# KiCad board RS64c.kicad_pcb (continued)
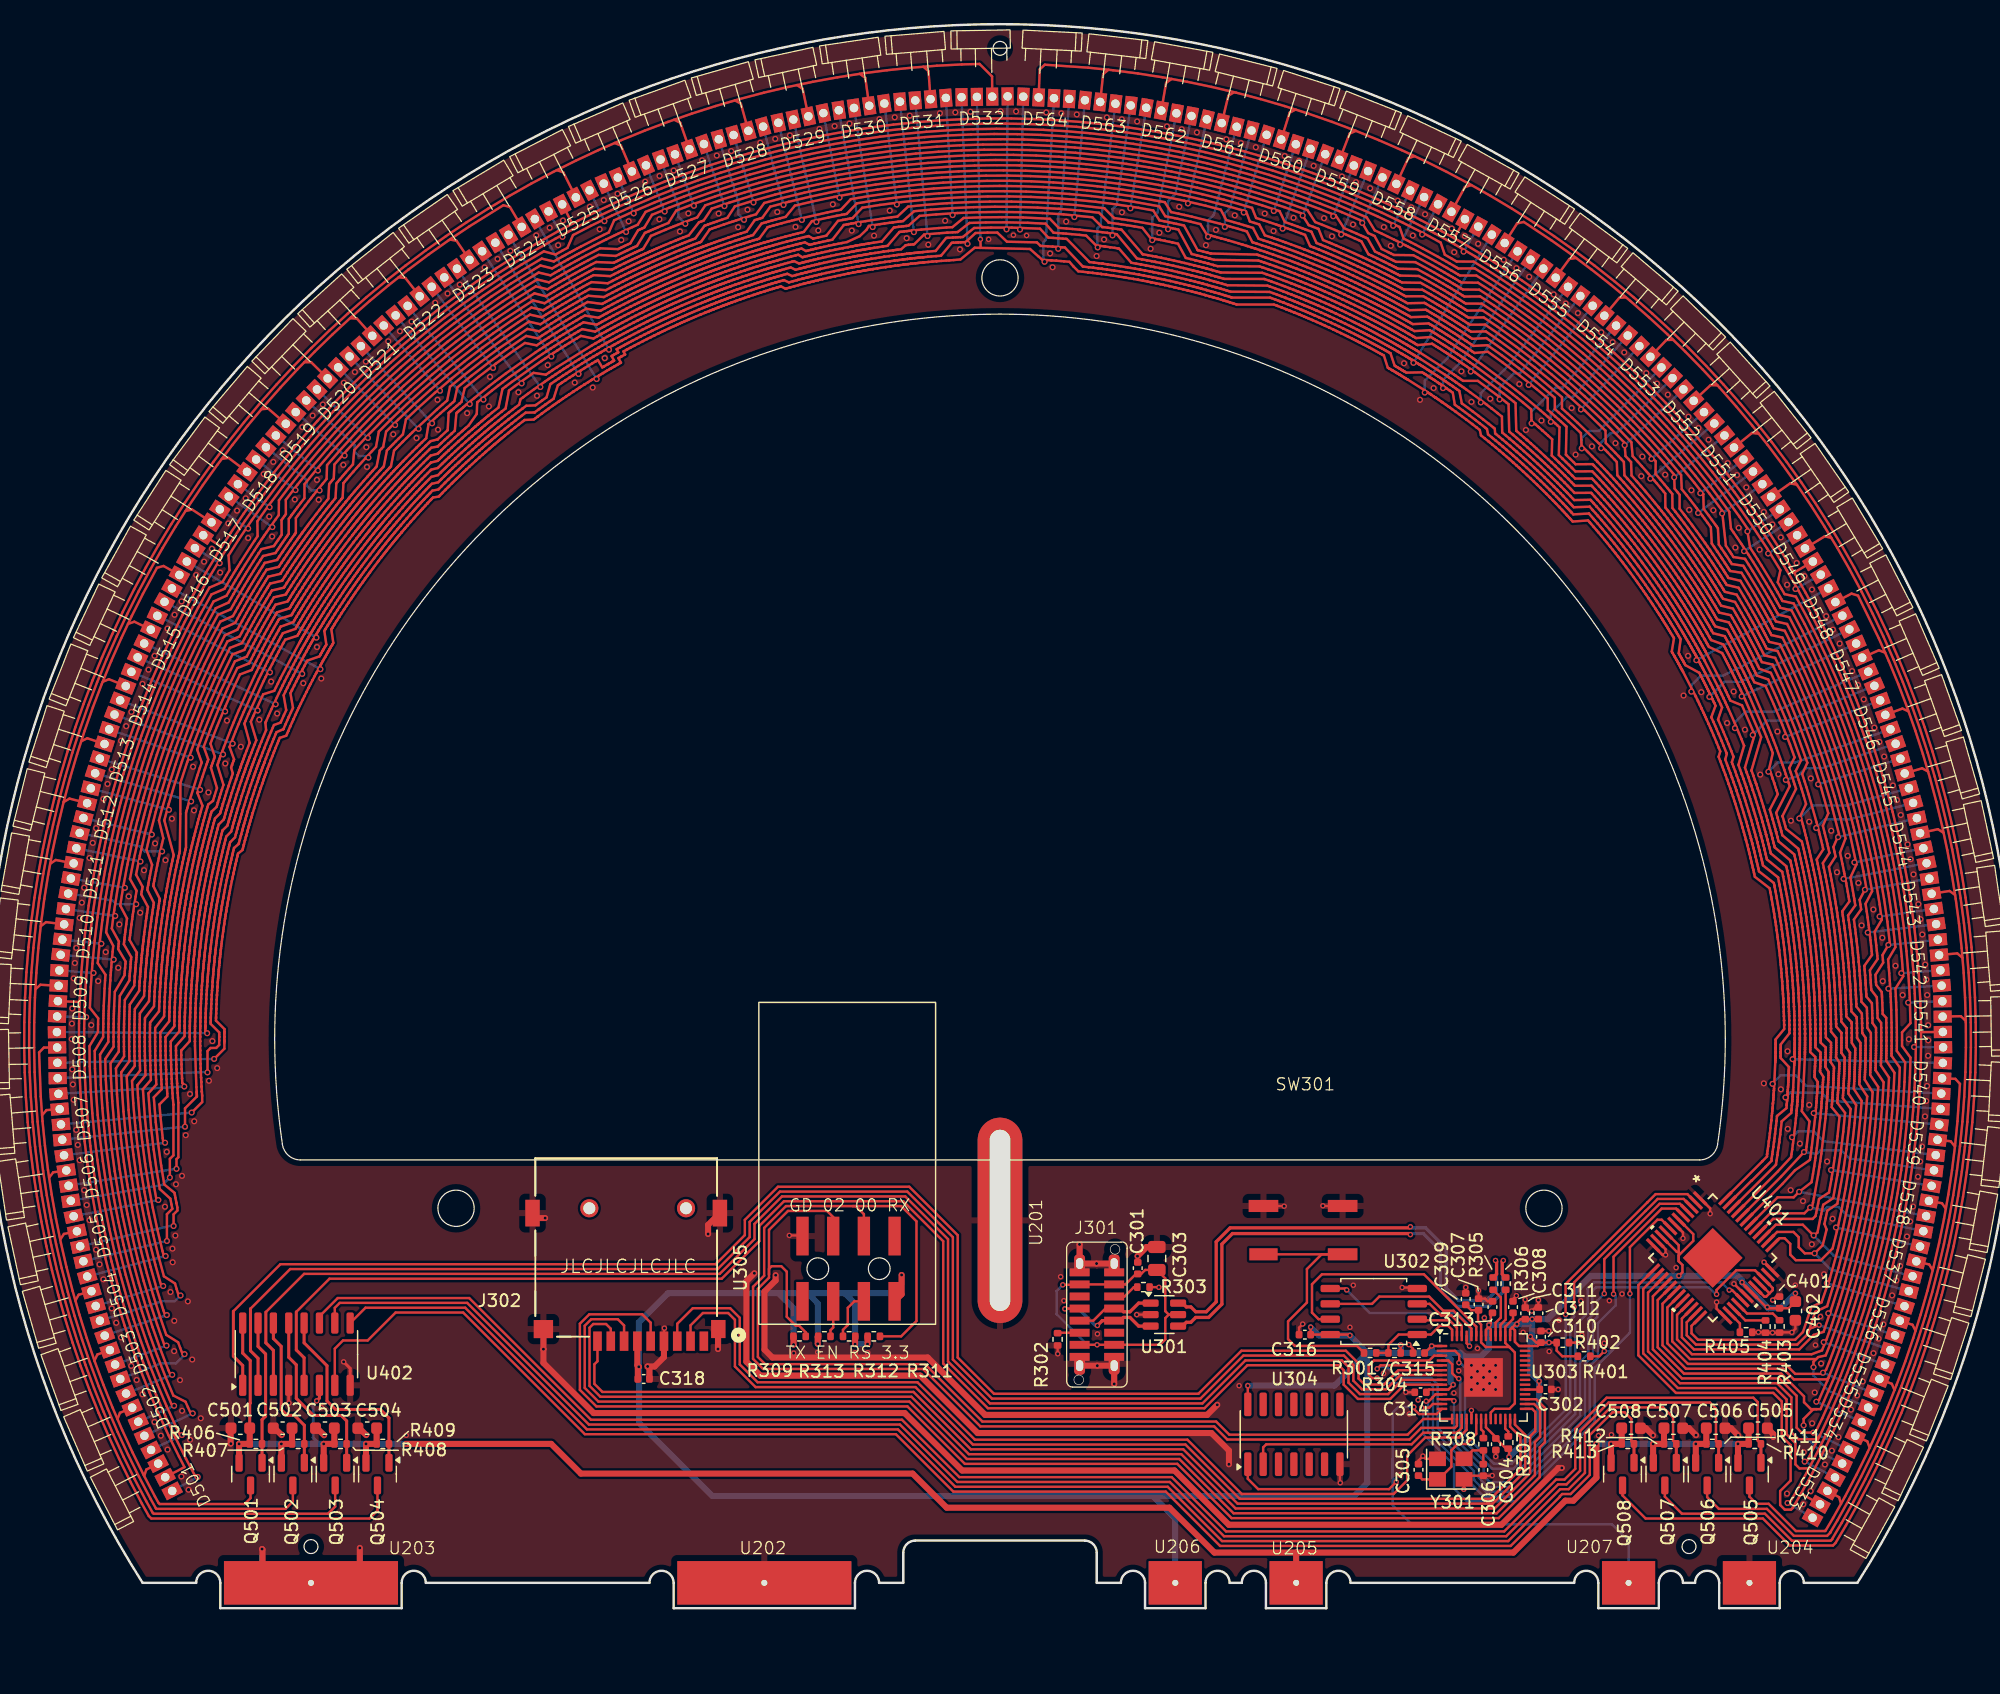
[diagram p0: board, top side]
## Routing (per net, layer and track width the routed paths; a pad name or vN(x,y) marks a point on that pad's centre or on a via; arc(x,y) is an arc through that point) (continued)
  Bottom w0.2: D529.4 v2(67.61,114.89) ; D561.4 103.08,116.04 103.08,115.95 102.6,115.47 v2(102.6,114.32) ; v2(133.73,96) 133.73,96.47 134.51,97.25 134.99,97.25 D553.4 ; D545.4 154.3,65.29 152.24,65.29 151.52,64.57 v2(151.52,64.57) ; D537.4 152.77,28.02 152.74,28.02 v2(151.39,29.37) ; v2(15.08,30.39) 15.08,30.39 15.07,30.39 D505.4 ; D521.4 v2(35.9,97.6) ; D513.4 v2(17.09,66.77)
LED_G05: length 328.2
  Top w0.2: U401.41 147.71,32.68 150.54,32.68 v2(151.02,33.16) ; v2(15.32,35.64) 15.32,37.18 15.62,37.48 15.62,41.67 15.57,42.21 15.54,42.62 15.52,43.02 15.49,43.42 15.47,43.81 15.46,44.2 15.44,44.6 15.43,44.98 15.42,45.37 15.41,45.75 15.4,46.14 15.4,46.52 15.39,46.89 16.11,47.75 16.12,48 16.12,48.15 16.12,48.29 16.13,48.55 16.13,48.66 16.13,48.87 16.14,49.04 16.14,49.24 16.15,49.35 16.16,49.62 16.16,49.74 16.18,50.13 16.2,50.52 16.22,50.91 16.22,50.94 16.24,51.29 16.25,51.53 16.26,51.67 16.28,51.98 16.29,52.05 16.3,52.19 16.31,52.35 16.32,52.42 16.33,52.56 16.34,52.72 16.36,52.93 16.38,53.1 16.38,53.16 16.39,53.31 16.41,53.48 16.43,53.69 16.45,53.87 16.47,54.07 16.49,54.25 16.5,54.41 16.52,54.58 16.55,54.78 16.57,54.95 16.59,55.16 16.61,55.35 16.64,55.53 16.69,55.95 16.7,56.02 16.75,56.39 16.76,56.45 16.78,56.61 16.8,56.77 16.83,56.98 16.85,57.12 16.89,57.36 16.91,57.51 16.92,57.56 16.95,57.73 16.97,57.9 17.01,58.11 17.04,58.28 17.07,58.49 17.09,58.6 17.1,58.67 17.13,58.81 17.16,58.98 17.19,59.19 17.23,59.36 17.26,59.57 17.29,59.72 17.34,59.94 17.41,60.32 17.42,60.39 17.5,60.77 17.55,60.99 17.58,61.15 17.63,61.36 17.66,61.52 17.71,61.74 17.74,61.9 17.79,62.09 17.83,62.28 17.88,62.5 17.92,62.65 17.96,62.86 17.99,62.95 18.01,63.04 18.04,63.17 18.08,63.33 18.13,63.54 18.17,63.72 18.23,63.92 18.26,64.04 18.32,64.3 18.36,64.42 18.41,64.64 18.46,64.81 18.54,65.1 18.6,65.31 18.64,65.48 18.7,65.69 18.73,65.79 18.77,65.94 19.19,66.31 19.24,66.48 19.3,66.7 19.42,67.07 19.51,67.37 19.63,67.76 19.76,68.14 19.25,69.79 19.31,69.95 19.39,70.16 19.45,70.33 19.52,70.54 19.59,70.72 19.66,70.92 19.8,71.3 20.36,72.72 20.6,73.32 20.79,73.76 21.04,74.35 22.3,77.1 22.48,77.46 22.66,77.82 22.84,78.18 23.02,78.53 23.2,78.88 23.38,79.22 23.56,79.57 23.75,79.91 23.93,80.24 23.99,80.35 24.12,80.58 24.19,80.71 24.3,80.91 24.39,81.06 24.49,81.24 25.54,81.62 25.61,81.73 25.67,81.84 25.74,81.96 25.82,82.08 25.95,82.31 26.01,82.4 26.12,82.58 26.21,82.73 26.31,82.9 26.37,82.98 26.41,83.06 26.51,83.21 26.58,83.32 26.62,83.38 26.79,83.65 26.82,83.7 27,83.98 27.02,84.02 27.21,84.3 27.23,84.33 27.42,84.62 27.43,84.64 27.55,84.82 27.63,84.94 27.8,85.19 27.84,85.25 27.92,85.37 28.01,85.5 28.06,85.56 28.13,85.67 28.22,85.81 28.34,85.98 28.44,86.12 28.48,86.17 28.57,86.3 28.66,86.43 28.79,86.61 28.89,86.75 29.01,86.92 29.12,87.06 29.21,87.19 29.31,87.32 29.43,87.49 29.53,87.63 29.66,87.79 29.77,87.95 29.88,88.1 30.14,88.43 30.21,88.52 30.41,88.79 30.45,88.83 30.55,88.95 30.65,89.09 30.69,89.13 30.78,89.25 30.87,89.37 30.93,89.44 31.02,89.55 31.11,89.67 31.18,89.75 31.25,89.84 31.36,89.97 31.43,90.06 31.52,90.17 31.61,90.28 31.68,90.37 31.74,90.44 31.82,90.53 31.86,90.58 31.95,90.69 32.06,90.82 32.2,90.99 32.31,91.12 32.45,91.27 32.55,91.39 32.7,91.57 32.95,91.86 33,91.91 33.26,92.2 33.4,92.36 33.52,92.49 33.66,92.65 33.74,92.75 33.92,92.94 34.03,93.06 34.16,93.2 34.28,93.33 34.45,93.51 34.56,93.62 34.7,93.78 34.77,93.85 34.83,93.91 34.92,94.01 35.04,94.13 35.19,94.29 35.25,94.35 35.31,94.41 35.46,94.56 35.54,94.65 35.73,94.84 35.98,95.09 36.03,95.15 36.31,95.42 36.47,95.58 36.6,95.7 36.75,95.85 36.83,95.93 36.95,96.05 37.47,96.14 37.62,96.28 37.78,96.43 38.07,96.7 38.29,96.91 38.6,97.18 38.65,97.23 38.9,97.46 39.03,98.91 39.11,98.98 39.19,99.05 39.28,99.13 39.42,99.24 39.59,99.39 39.72,99.51 39.89,99.65 40.04,99.77 40.2,99.9 40.51,100.16 41.7,101.12 42.21,101.51 42.6,101.81 43.11,102.19 45.58,103.94 45.91,104.16 46.25,104.38 46.58,104.6 46.91,104.82 47.24,105.03 47.58,105.24 47.91,105.44 48.23,105.65 48.56,105.84 48.89,106.04 49.22,106.23 49.54,106.42 50.64,106.23 50.87,106.36 50.99,106.43 51.12,106.49 51.35,106.62 51.44,106.67 51.63,106.77 51.77,106.85 51.95,106.95 52.04,107 52.28,107.13 52.39,107.18 52.74,107.36 53.08,107.54 53.13,107.56 53.43,107.72 53.46,107.73 53.77,107.89 53.8,107.9 53.99,108 54.11,108.06 54.39,108.19 54.46,108.22 54.58,108.28 54.73,108.36 54.8,108.39 54.92,108.45 55.06,108.51 55.25,108.6 55.41,108.68 55.47,108.7 55.6,108.77 55.76,108.84 55.95,108.93 56.11,109 56.3,109.08 56.46,109.15 56.61,109.22 56.76,109.29 56.95,109.37 57.11,109.44 57.3,109.52 57.48,109.59 57.65,109.67 58.03,109.83 58.14,109.87 58.45,110 58.5,110.02 58.65,110.08 58.8,110.14 58.86,110.16 59,110.22 59.13,110.27 59.22,110.31 59.35,110.36 59.5,110.41 59.59,110.45 59.7,110.49 59.86,110.55 59.96,110.59 60.11,110.65 60.23,110.69 60.34,110.73 60.43,110.77 60.53,110.81 60.6,110.83 60.75,110.88 60.89,110.94 61.09,111.01 61.26,111.07 61.45,111.14 61.6,111.19 61.82,111.26 61.9,111.29 62.18,111.39 62.27,111.42 62.62,111.54 62.65,111.55 62.83,111.6 62.99,111.66 63.03,111.67 63.19,111.72 63.31,111.76 63.56,111.84 63.72,111.89 63.91,111.95 64.07,112 64.31,112.07 64.45,112.12 64.66,112.18 64.75,112.2 64.84,112.23 64.96,112.27 65.13,112.31 65.33,112.37 65.5,112.42 65.71,112.48 65.83,112.51 66.09,112.58 66.43,112.68 66.5,112.7 66.88,112.8 67.09,112.85 67.28,112.9 67.48,112.95 67.58,112.97 67.86,113.04 68.24,112.84 68.43,112.88 68.65,112.93 69.04,113.02 69.34,113.09 69.73,113.18 70.13,113.26 71.08,114.48 71.3,114.52 71.47,114.55 71.69,114.59 71.87,114.62 72.09,114.66 72.27,114.7 72.48,114.73 72.88,114.8 74.39,115.03 75.03,115.12 75.51,115.18 76.39,116 77.84,116.15 79.61,116.28 81.39,116.37 83.17,116.41 84.94,116.41 86.72,116.37 88.5,116.27 90.27,116.14 92.63,115.86 93.44,115.05 93.44,115.05 94.08,114.96 94.56,114.89 95.19,114.79 96.71,114.52 97.11,114.44 97.5,114.36 97.89,114.28 98.28,114.2 98.51,114.15 98.76,114.1 99.86,112.08 100.25,111.98 100.32,111.96 100.63,111.89 100.7,111.87 100.93,111.81 101.09,111.77 101.33,111.7 101.43,111.67 101.72,111.59 105.37,111.54 105.61,111.46 105.83,111.38 105.97,111.34 106.28,111.23 106.33,111.21 106.7,111.08 106.86,111.03 106.91,111.01 107.34,110.85 107.71,110.72 107.91,110.64 108.07,110.58 108.35,110.47 108.42,110.44 108.71,110.33 108.78,110.31 108.98,110.23 109.08,110.19 109.41,110.06 109.55,110 109.79,109.9 109.96,109.83 110,109.81 110.15,109.75 110.31,109.69 110.43,109.63 110.5,109.6 110.68,109.53 110.85,109.46 110.99,109.4 111.05,109.37 111.41,109.21 111.47,109.19 111.77,109.05 111.85,109.01 112.01,108.94 112.13,108.89 112.19,108.86 112.48,108.73 112.53,108.7 112.83,108.56 112.87,108.55 113.07,108.45 113.17,108.4 113.47,108.26 113.52,108.24 113.86,108.07 114,108 114.12,107.94 114.22,107.89 114.46,107.77 114.55,107.73 114.66,107.67 114.81,107.6 114.88,107.56 115,107.5 115.15,107.42 115.33,107.33 115.49,107.24 115.67,107.15 115.84,107.06 116.01,106.97 116.18,106.88 116.36,106.78 116.53,106.69 116.7,106.6 116.88,106.5 117.04,106.41 117.16,106.34 117.23,106.3 117.39,106.21 117.48,106.16 117.58,106.1 117.73,106.02 117.8,105.98 117.93,105.9 118.08,105.82 118.28,105.7 119.56,105.77 119.71,105.68 119.88,105.57 120.03,105.48 120.2,105.38 120.36,105.28 120.53,105.17 120.69,105.07 120.85,104.97 121.02,104.86 121.17,104.76 121.35,104.65 121.5,104.55 121.68,104.43 121.83,104.33 122.01,104.21 122.15,104.12 122.34,103.99 122.48,103.9 122.68,103.76 122.81,103.67 123.01,103.53 123.14,103.45 123.35,103.3 123.47,103.21 123.8,102.98 126.16,101.22 126.67,100.82 127.05,100.52 127.54,100.11 128.73,99.12 129.03,98.86 129.33,98.59 129.63,98.33 129.93,98.06 130.1,97.91 130.28,97.74 130.23,95.44 130.52,95.16 130.58,95.1 130.8,94.88 130.86,94.83 131.03,94.66 131.14,94.55 131.32,94.37 131.39,94.3 131.6,94.08 133,94.09 133.14,93.94 133.38,93.68 133.56,93.5 133.65,93.4 133.85,93.19 133.92,93.11 134.12,92.9 134.18,92.83 134.33,92.66 134.38,92.6 134.65,92.31 134.91,92.02 135.06,91.84 135.15,91.73 135.37,91.49 135.41,91.44 135.66,91.15 135.77,91.02 135.8,90.98 136.1,90.63 136.35,90.33 136.49,90.16 136.59,90.03 136.78,89.8 136.83,89.73 137.03,89.49 137.07,89.44 137.21,89.26 137.27,89.19 137.49,88.91 137.51,88.88 137.74,88.58 137.86,88.43 137.88,88.4 137.98,88.27 138.16,88.03 138.21,87.97 138.44,87.67 138.53,87.55 138.57,87.49 138.84,87.12 139.08,86.78 139.19,86.64 139.3,86.48 139.49,86.22 139.52,86.17 139.71,85.9 139.73,85.87 139.86,85.69 139.92,85.59 140.11,85.32 140.14,85.28 140.35,84.96 140.44,84.83 140.51,84.72 140.57,84.63 140.73,84.4 140.78,84.32 140.84,84.22 140.94,84.08 140.98,84.01 141.05,83.9 141.14,83.75 141.26,83.58 141.35,83.43 141.46,83.25 141.56,83.1 141.67,82.93 141.77,82.76 141.87,82.6 141.97,82.43 142.07,82.26 142.18,82.09 142.28,81.93 142.34,81.82 142.39,81.74 142.48,81.59 142.53,81.5 142.59,81.4 142.68,81.25 142.72,81.18 142.79,81.05 142.88,80.9 143,80.69 143.95,80.45 144.04,80.3 144.13,80.12 144.22,79.96 144.32,79.79 144.4,79.63 144.5,79.45 144.59,79.29 144.68,79.12 144.77,78.94 144.85,78.78 144.95,78.6 145.03,78.44 145.13,78.25 145.21,78.09 145.3,77.9 145.38,77.74 145.48,77.54 145.56,77.39 145.66,77.18 145.73,77.03 145.83,76.82 145.9,76.68 146.01,76.45 146.07,76.31 146.18,76.08 146.24,75.95 146.41,75.58 147.58,72.87 147.82,72.27 148,71.82 148.22,71.23 148.75,69.77 148.88,69.39 149.01,69.01 149.14,68.63 149.26,68.26 149.33,68.04 148.21,65.83 148.32,65.44 148.34,65.37 148.43,65.07 148.45,64.99 148.51,64.76 148.55,64.61 148.62,64.37 148.64,64.26 148.72,63.97 150.03,62.86 150.06,62.74 150.12,62.48 150.15,62.36 150.22,62.08 150.24,61.98 150.3,61.69 150.32,61.6 150.37,61.38 150.39,61.3 150.47,60.92 150.55,60.53 150.59,60.31 150.62,60.16 150.68,59.84 150.69,59.79 150.76,59.41 150.8,59.24 150.81,59.18 150.89,58.73 150.95,58.35 150.99,58.13 151.01,57.97 151.06,57.67 151.07,57.59 151.12,57.29 151.13,57.22 151.16,57 151.18,56.9 151.23,56.55 151.23,56.52 151.29,56.14 151.31,55.95 151.32,55.91 151.34,55.75 151.37,55.45 151.38,55.37 151.43,55 151.45,54.85 151.45,54.78 151.5,54.33 151.55,53.91 151.56,53.74 151.58,53.54 151.61,53.22 151.62,53.16 151.65,52.84 151.65,52.79 151.67,52.57 151.68,52.46 151.7,52.13 151.71,52.08 151.73,51.7 151.74,51.54 151.75,51.41 151.76,51.3 151.78,51.02 151.78,50.93 151.8,50.64 151.8,50.56 151.81,50.43 151.82,50.26 151.83,49.89 151.83,49.87 151.85,49.48 151.85,49.31 151.86,49.09 151.87,48.73 151.87,48.69 151.88,48.35 151.88,48.29 151.88,47.97 151.88,47.89 151.89,47.6 151.89,47.49 151.89,47.24 151.89,47.09 151.89,46.95 151.89,46.81 152.32,46.41 152.31,46.2 152.31,45.99 152.31,45.82 152.3,45.61 152.3,45.44 152.29,45.24 152.29,45.06 152.28,44.87 152.28,44.8 152.55,44.38 152.55,44.28 152.54,44.09 152.53,43.89 152.52,43.71 152.51,43.5 152.5,43.32 152.49,43.1 152.48,42.93 152.46,42.71 152.45,42.54 152.44,42.31 152.43,42.14 152.41,41.91 152.4,41.75 152.38,41.5 152.36,41.35 152.34,41.1 152.33,40.95 152.29,40.54 151.95,37.62 151.85,36.98 151.78,36.5 151.68,35.87 151.41,34.35 151.33,33.95 151.25,33.56 151.17,33.17
  Bottom w0.2: v2(151.02,33.16) 152.12,32.93 152.17,32.93 152.45,33.21 153.37,33.21 154.05,32.53 D538.4 ; v2(97.9,114.13) 97.9,116.44 98.5,117.04 D562.4 ; D514.4 v2(19.73,70.67) ; D522.4 v2(40.13,99.65) ; v2(149.01,68.55) 149.97,68.87 149.99,68.87 150.64,69.52 151.87,69.52 151.89,69.5 D546.4 ; D506.4 14.65,35.03 14.71,35.03 v2(15.32,35.64) ; v2(129.56,98.19) 129.56,98.91 130.9,100.25 131.4,100.25 D554.4 ; D530.4 v2(72.3,114.55)
LED_G06: length 327.9
  Top w0.2: 17.55,42.67 17.57,42.36 ; 17.55,42.67 17.55,42.34 16.58,41.37 v2(16.58,39.85) ; 17.55,42.67 17.54,42.75 17.52,43.14 17.4,46.53 17.4,46.9 17.4,46.94 17.4,47.26 17.4,47.34 17.4,47.63 17.4,47.74 17.41,47.99 17.41,48.13 17.41,48.27 17.41,48.53 17.42,48.63 17.42,48.84 17.43,49 17.43,49.2 17.44,49.3 17.45,49.57 17.45,49.69 17.47,50.07 17.48,50.45 17.5,50.83 17.51,50.87 17.53,51.21 17.54,51.45 17.55,51.58 17.57,51.88 17.58,51.95 17.59,52.09 17.6,52.25 17.6,52.32 17.62,52.45 17.63,52.61 17.65,52.82 17.66,52.99 17.67,53.05 17.68,53.2 17.69,53.36 17.71,53.57 17.73,53.74 17.75,53.94 17.77,54.12 17.79,54.27 17.8,54.43 17.83,54.64 17.85,54.8 17.87,55 17.89,55.19 17.92,55.37 17.97,55.78 17.98,55.85 18.03,56.22 18.03,56.27 18.06,56.43 18.08,56.59 18.11,56.79 18.13,56.93 18.16,57.16 18.19,57.31 18.19,57.36 18.22,57.52 18.25,57.69 18.28,57.9 18.31,58.07 18.34,58.28 18.36,58.38 18.37,58.45 18.4,58.59 18.43,58.75 18.46,58.96 18.49,59.13 18.53,59.33 18.56,59.48 18.6,59.7 18.67,60.07 18.69,60.14 18.76,60.51 18.81,60.72 18.84,60.89 18.89,61.09 18.92,61.25 18.97,61.46 19,61.62 19.04,61.81 19.09,62 19.14,62.21 19.17,62.36 19.22,62.56 19.24,62.65 19.26,62.74 19.29,62.86 19.33,63.03 19.38,63.23 19.43,63.4 19.48,63.6 19.51,63.72 19.57,63.97 19.6,64.09 19.66,64.31 19.68,64.38 20.09,64.77 20.12,64.88 20.16,65.05 20.2,65.16 20.23,65.28 20.25,65.36 20.31,65.55 20.33,65.62 20.36,65.73 20.42,65.95 20.47,66.11 20.54,66.32 20.65,66.7 20.74,66.98 20.86,67.36 20.98,67.74 21,67.8 21.11,68.13 21.2,68.38 21.22,68.45 21.35,68.82 21.42,69.03 21.48,69.19 21.55,69.41 21.61,69.56 21.68,69.75 21.72,69.86 21.74,69.93 21.79,70.07 21.86,70.24 21.93,70.44 21.95,70.49 22.07,70.79 22.08,70.82 22.18,71.08 22.33,71.46 22.48,71.84 22.02,73.37 22.22,73.84 23.04,75.64 23.96,75.93 24.1,76.22 24.24,76.51 24.28,76.57 24.45,76.92 24.46,76.94 26.05,79.92 26.13,80.07 26.23,80.24 26.33,80.41 26.41,80.55 26.45,80.62 26.52,80.74 26.59,80.87 26.65,80.96 26.72,81.07 26.78,81.18 26.85,81.3 26.92,81.42 27.06,81.64 27.11,81.73 27.22,81.91 27.31,82.05 27.41,82.22 27.46,82.3 27.51,82.37 27.6,82.53 27.67,82.63 27.71,82.69 27.87,82.95 27.91,83 28.08,83.27 28.11,83.32 28.29,83.59 28.31,83.62 28.49,83.91 28.51,83.93 28.63,84.11 28.7,84.22 28.87,84.47 28.91,84.53 28.99,84.64 29.08,84.77 29.12,84.83 29.19,84.94 29.28,85.07 29.4,85.24 29.5,85.38 29.54,85.43 29.62,85.55 29.72,85.69 29.84,85.86 29.94,85.99 30.06,86.16 30.16,86.3 30.28,86.46 30.35,86.56 30.47,86.73 30.57,86.86 30.69,87.02 30.8,87.17 30.91,87.32 31.16,87.64 31.23,87.73 31.43,87.99 31.46,88.03 31.56,88.16 31.66,88.29 31.7,88.33 31.79,88.45 31.88,88.56 31.94,88.64 32.02,88.74 32.12,88.86 32.18,88.94 32.25,89.03 32.36,89.16 32.43,89.24 32.52,89.36 32.6,89.46 32.68,89.54 32.74,89.62 32.81,89.7 32.85,89.76 32.94,89.86 33.05,89.99 33.19,90.15 33.29,90.28 33.44,90.46 33.53,90.55 33.67,90.72 33.71,90.76 33.92,91.01 33.97,91.07 34.22,91.34 34.24,91.37 34.36,91.5 34.47,91.63 34.62,91.79 34.7,91.88 34.87,92.07 34.98,92.19 35.11,92.33 35.23,92.45 35.39,92.63 35.49,92.74 35.64,92.89 35.7,92.96 35.77,93.03 35.85,93.11 35.97,93.24 36.12,93.39 36.24,93.51 36.38,93.66 36.46,93.75 36.65,93.94 36.89,94.18 36.95,94.23 37.49,94.37 37.58,94.45 37.7,94.57 37.78,94.65 37.88,94.74 37.93,94.79 38.07,94.93 38.13,94.99 38.22,95.07 38.38,95.22 38.5,95.34 38.66,95.49 38.95,95.76 39.17,95.96 39.46,96.23 39.52,96.28 39.76,96.49 39.81,96.54 40.06,96.76 40.1,96.8 40.26,96.94 40.39,97.05 40.61,97.25 40.69,97.31 40.78,97.39 40.91,97.5 41.09,97.65 41.21,97.75 41.37,97.89 41.45,97.96 41.51,98.01 41.62,98.1 41.76,98.22 41.93,98.36 41.97,98.39 42.22,98.59 42.24,98.61 42.46,98.79 42.78,99.04 43.1,99.29 43.38,100.78 43.88,101.15 45.41,102.24 46.43,102.09 46.7,102.27 46.96,102.45 47.02,102.49 47.35,102.71 47.37,102.72 50.23,104.51 50.55,104.69 50.58,104.71 50.87,104.87 50.93,104.91 51.18,105.05 51.28,105.11 51.5,105.23 51.62,105.3 51.74,105.37 51.97,105.49 52.06,105.54 52.24,105.64 52.38,105.72 52.56,105.81 52.65,105.86 52.88,105.98 52.99,106.04 53.33,106.22 53.67,106.39 53.71,106.42 54.01,106.57 54.04,106.58 54.35,106.73 54.37,106.75 54.56,106.84 54.68,106.9 54.95,107.03 55.02,107.06 55.14,107.12 55.28,107.19 55.35,107.22 55.47,107.28 55.61,107.35 55.8,107.44 55.95,107.51 56.01,107.53 56.14,107.6 56.29,107.66 56.48,107.75 56.64,107.82 56.83,107.9 56.99,107.98 57.13,108.04 57.28,108.1 57.47,108.19 57.62,108.25 57.81,108.33 57.98,108.41 58.15,108.48 58.52,108.63 58.63,108.68 58.94,108.8 58.98,108.82 59.13,108.88 59.28,108.94 59.34,108.97 59.48,109.02 59.61,109.07 59.7,109.11 59.82,109.16 59.96,109.21 60.06,109.25 60.16,109.29 60.32,109.35 60.43,109.39 60.56,109.44 60.68,109.48 60.82,109.53 60.98,109.59 61.05,109.62 61.19,109.67 61.33,109.72 61.53,109.8 61.69,109.85 61.88,109.92 62.03,109.97 62.24,110.04 62.32,110.07 62.6,110.17 62.69,110.2 63.02,110.31 63.23,110.38 63.39,110.43 63.43,110.44 63.59,110.5 63.71,110.53 63.95,110.61 64.1,110.66 64.29,110.72 64.45,110.77 64.68,110.84 64.83,110.88 65.03,110.94 65.12,110.97 65.2,110.99 65.32,111.03 65.48,111.07 65.69,111.13 65.86,111.18 66.06,111.24 66.17,111.27 66.43,111.34 66.76,111.43 66.83,111.45 66.97,111.49 67.37,111.29 67.49,111.32 67.67,111.37 67.76,111.39 67.89,111.42 67.96,111.44 68.16,111.49 68.23,111.51 68.35,111.54 68.56,111.59 68.73,111.63 68.94,111.68 69.33,111.77 69.62,111.83 70.01,111.92 70.4,112 70.46,112.01 70.79,112.08 71.06,112.13 71.13,112.15 71.51,112.22 71.73,112.26 71.9,112.3 72.12,112.34 72.28,112.37 72.49,112.4 72.59,112.42 72.67,112.43 72.82,112.46 72.99,112.49 73.21,112.53 73.26,112.53 73.58,112.59 73.61,112.59 73.88,112.63 74.29,112.69 74.32,112.7 74.69,112.75 75.67,113.9 75.78,113.91 75.9,113.93 76.07,113.95 76.29,113.97 76.48,113.99 76.69,114.02 76.88,114.04 77.09,114.06 77.49,114.1 78.93,114.22 79.58,114.27 80.06,114.3 80.98,115.06 82.41,115.11 84.15,115.13 85.9,115.1 88.13,114.99 88.86,114.24 89.5,114.19 89.99,114.15 90.62,114.09 92.07,113.93 92.47,113.88 92.87,113.83 93.27,113.77 93.66,113.72 95.33,111.71 95.73,111.64 95.78,111.63 96.11,111.57 96.17,111.56 96.53,111.49 96.56,111.48 96.78,111.44 96.91,111.41 97.25,111.34 97.28,111.34 97.65,111.26 97.87,111.21 98.32,111.11 98.38,111.1 98.78,111.01 98.9,110.98 99.18,110.91 99.56,110.82 99.93,110.73 100.01,110.71 100.31,110.64 100.38,110.62 100.61,110.56 100.76,110.52 100.99,110.46 101.1,110.43 101.38,110.35 101.47,110.33 101.77,110.24 101.82,110.23 102.01,110.17 102.16,110.13 102.47,110.04 102.55,110.02 105.85,110.01 105.91,109.99 106.27,109.87 106.43,109.81 106.47,109.79 106.9,109.64 107.26,109.51 107.46,109.43 107.61,109.37 107.89,109.27 107.96,109.24 108.24,109.13 108.32,109.1 108.51,109.03 108.6,108.99 108.7,108.95 108.92,108.86 109.07,108.8 109.3,108.71 109.47,108.64 109.51,108.62 109.65,108.56 109.81,108.5 109.93,108.45 110,108.42 110.17,108.34 110.34,108.27 110.47,108.21 110.54,108.18 110.89,108.03 110.94,108.01 111.24,107.87 111.32,107.84 111.48,107.77 111.59,107.72 111.66,107.69 111.94,107.56 111.99,107.53 112.29,107.39 112.32,107.38 112.52,107.29 112.62,107.24 112.91,107.1 112.96,107.08 113.29,106.91 113.43,106.84 113.55,106.79 113.64,106.74 113.88,106.62 113.97,106.58 114.07,106.52 114.22,106.45 114.29,106.41 114.41,106.35 114.56,106.28 114.74,106.18 114.89,106.1 115.07,106.01 115.23,105.92 115.41,105.83 115.57,105.74 115.74,105.65 115.91,105.56 116.08,105.47 116.26,105.37 116.41,105.28 116.53,105.22 116.6,105.18 116.75,105.09 116.84,105.04 116.94,104.98 117.09,104.9 117.16,104.86 117.29,104.79 117.43,104.7 117.63,104.58 117.77,104.5 117.89,104.43 118.03,104.35 118.11,104.3 118.21,104.24 118.35,104.16 118.46,104.09 118.52,104.06 118.66,103.97 121.38,102.22 121.55,102.11 121.68,102.02 121.87,101.88 121.99,101.8 122.2,101.66 122.31,101.58 123.53,101.58 125.37,100.2 125.87,99.81 126.07,99.65 126.13,97.38 126.43,97.12 126.48,97.08 126.73,96.87 126.78,96.83 127.06,96.59 127.08,96.57 127.25,96.42 127.35,96.33 127.6,96.1 127.63,96.08 127.91,95.83 128.08,95.68 128.42,95.37 128.47,95.32 128.76,95.05 128.85,94.96 129.06,94.77 129.34,94.5 129.62,94.23 129.68,94.18 129.9,93.96 129.95,93.91 130.12,93.74 130.23,93.63 130.4,93.46 130.48,93.39 130.69,93.18 130.74,93.12 130.97,92.89 131.01,92.85 131.14,92.71 131.25,92.6 131.48,92.36 131.53,92.3 132.9,92.32 132.97,92.24 133.16,92.03 133.22,91.96 133.37,91.8 133.43,91.74 133.68,91.45 133.94,91.16 134.09,90.99 134.18,90.89 134.39,90.65 134.43,90.6 134.68,90.31 134.79,90.18 134.82,90.15 135.11,89.8 135.35,89.51 135.49,89.34 135.59,89.22 135.78,88.99 135.83,88.92 136.02,88.69 136.06,88.64 136.2,88.46 136.26,88.39 136.47,88.11 136.49,88.09 136.72,87.79 136.83,87.65 136.86,87.62 136.96,87.49 137.13,87.25 137.18,87.19 137.4,86.9 137.49,86.78 137.53,86.72 137.8,86.36 138.04,86.03 138.14,85.89 138.25,85.73 138.43,85.48 138.47,85.43 138.65,85.17 138.67,85.13 138.8,84.95 138.86,84.86 139.05,84.59 139.07,84.55 139.28,84.24 139.37,84.11 139.44,84 139.5,83.92 139.65,83.69 139.7,83.61 139.76,83.51 139.85,83.38 139.9,83.31 139.97,83.2 140.06,83.06 140.17,82.89 140.26,82.74 140.37,82.57 140.47,82.41 140.57,82.25 140.67,82.09 140.77,81.92 140.87,81.76 140.97,81.6 141.07,81.42 141.17,81.27 141.23,81.16 141.28,81.08 141.37,80.93 141.42,80.84 141.48,80.74 141.56,80.6 141.6,80.53 141.68,80.4 141.76,80.26 141.87,80.05 141.95,79.91 142.02,79.79 142.1,79.65 142.15,79.57 142.2,79.47 142.28,79.33 142.34,79.22 142.38,79.15 142.46,79.01 143.94,76.14 144.03,75.95 144.09,75.81 144.2,75.6 144.26,75.46 144.36,75.24 144.42,75.11 145.38,74.72 146.32,72.54 ; 146.44,72.33 145.63,69.57 145.76,69.19 145.78,69.14 145.89,68.82 145.91,68.76 146.03,68.42 146.04,68.39 146.12,68.17 146.16,68.05 146.27,67.72 146.28,67.69 146.4,67.33 146.47,67.12 146.6,66.68 146.74,66.23 146.78,66.11 146.86,65.85 146.97,65.46 147.08,65.09 147.1,65.02 147.18,64.72 147.2,64.64 147.27,64.42 147.31,64.27 147.37,64.03 147.4,63.93 147.47,63.65 147.49,63.57 147.57,63.26 147.59,63.2 147.63,63.01 147.67,62.86 147.75,62.54 147.77,62.47 149.04,61.41 149.06,61.33 149.11,61.11 149.13,61.03 149.21,60.65 149.28,60.28 149.33,60.06 149.36,59.91 149.42,59.6 149.43,59.54 149.5,59.17 149.53,59.01 149.54,58.96 149.61,58.51 149.68,58.13 149.71,57.92 149.74,57.76 149.79,57.47 149.8,57.39 149.85,57.09 149.86,57.03 149.89,56.81 149.9,56.71 149.95,56.37 149.96,56.34 150.01,55.96 150.03,55.79 150.04,55.74 150.06,55.59 150.09,55.29 150.1,55.22 150.15,54.85 150.16,54.7 150.17,54.63 150.22,54.19 150.26,53.78 150.28,53.61 150.3,53.41 150.33,53.1 150.33,53.05 150.36,52.73 150.37,52.68 150.38,52.47 150.39,52.35 150.42,52.03 150.42,51.98 150.45,51.61 150.46,51.46 150.47,51.33 150.47,51.22 150.49,50.95 150.49,50.86 150.51,50.57 150.51,50.49 150.52,50.37 150.53,50.2 150.54,49.84 150.54,49.82 150.56,49.43 150.56,49.27 150.57,49.05 150.58,48.7 150.58,48.66 150.59,48.33 150.59,48.27 150.59,47.95 150.59,47.88 150.6,47.59 150.6,47.48 150.6,47.24 150.6,47.09 150.6,46.96 150.6,46.81 150.6,46.69 150.6,46.59 150.6,46.42 150.59,46.29 150.59,46.22 150.59,46.02 150.59,45.86 150.58,45.66 150.42,42.26 150.41,42.06 150.4,41.9 150.38,41.67 150.37,41.52 150.34,41.27 150.33,41.14 150.97,40.29 150.72,38.19 150.68,37.9 ; 146.44,72.33 146.32,72.54 ; 146.44,72.33 v2(146.27,72.27) ; 146.32,72.54 146.38,72.39 ; 150.68,37.9 v2(150.51,37.75) 148.6,35.71 145.42,32.52 U401.44 ; 150.68,37.9 150.67,37.79
  Bottom w0.2: D523.4 v2(44.43,101.37) ; D515.4 v2(22.59,74.3) ; D555.4 127.02,102.2 126.5,102.2 125.33,101.03 v2(125.33,100.04) ; D507.4 16.58,39.87 16.58,39.85 v2(16.58,39.85) ; D547.4 149.22,73.47 147.46,73.47 v2(146.27,72.27) ; v2(93.31,113.62) 93.31,115.8 93.66,116.15 D563.4 ; D531.4 v2(76.88,113.89) ; v2(150.51,37.75) 151.56,37.6 151.58,37.6 151.88,37.9 153.6,37.9 154.28,37.22 D539.4
